# KiCad board XG_Mobile_Dock.kicad_pcb (continued)
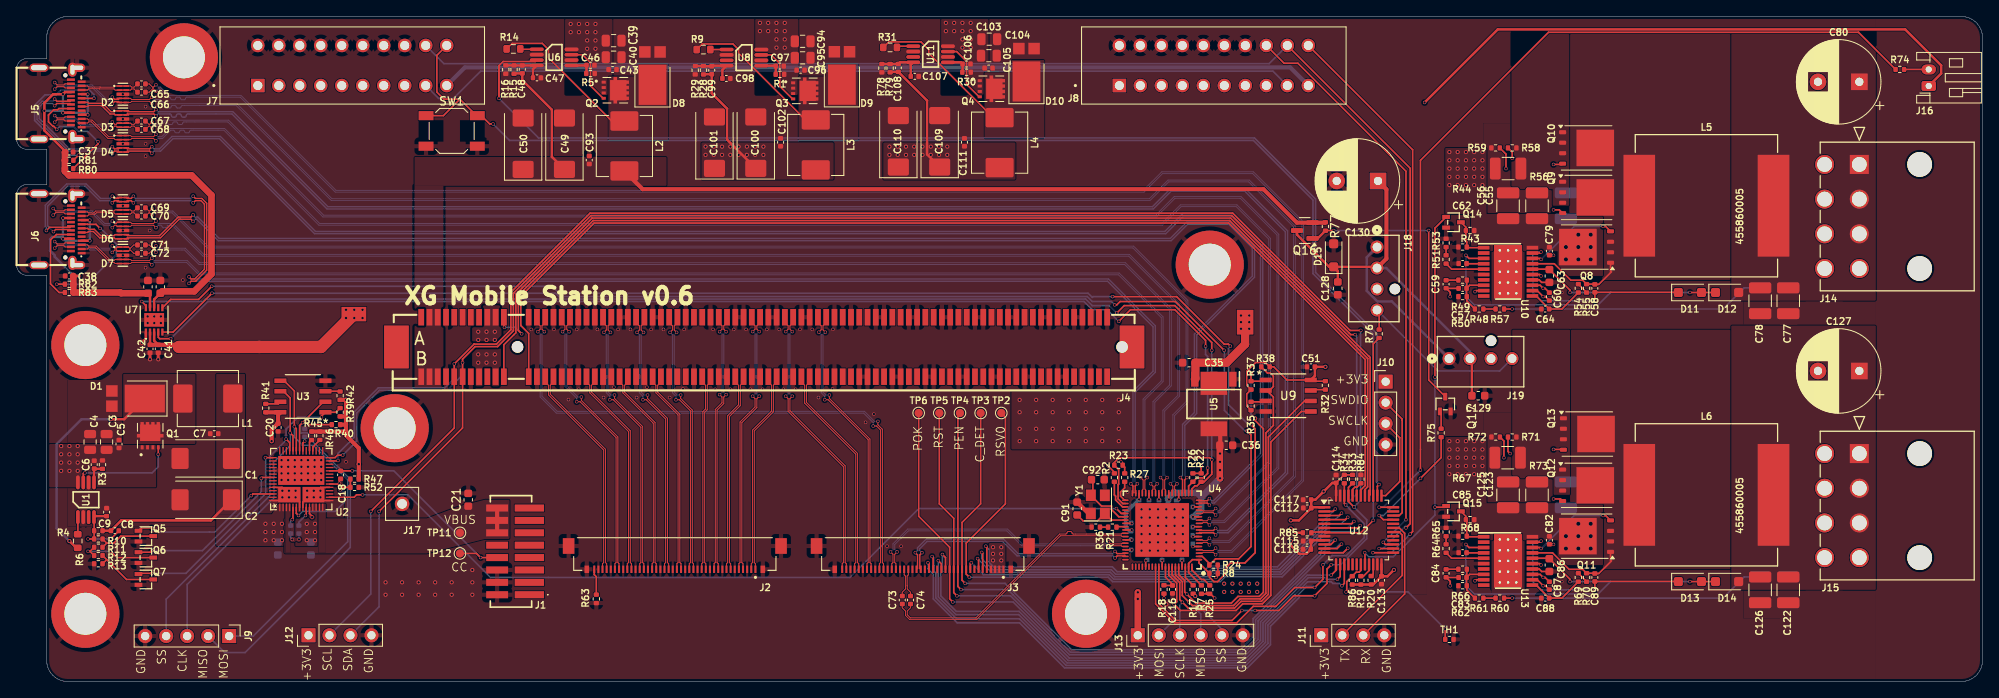
[diagram p0: board, top side]
## Nets (continued)
/USB Hub/XO: C92.1 U4.44 Y1.3
/USB PD Charger/BOOT: R47.2 R52.1 U2.6
/USB PD Charger/DRAIN1: U2.8 U2.15 U2.19 U2.58
/USB PD Charger/DRAIN2: U2.7 U2.52 U2.56 U2.57
/USB PD Charger/LDO_3V3: C20.1 C23.1 R39.1 R40.1 R41.1 R42.1 R45.2 R46.2 R47.1 U2.9 U3.8
/USB PD Charger/PDO_0: U2.42
/USB PD Charger/PDO_1: Q7.1 U2.43
/USB PD Charger/PDO_2: Q6.1 U2.49
/USB PD Charger/PDO_3: Q5.1 U2.54
/USB PD Charger/PGOOD_N: U2.55
/USB PD Charger/SPI_CLK: J9.3 U2.38 U3.6
/USB PD Charger/SPI_MISO: J9.2 R40.2 U2.36 U3.2
/USB PD Charger/SPI_MOSI: J9.1 U2.37 U3.5
/USB PD Charger/SPI_SS: J9.4 R39.2 U2.39 U3.1
/WAKE#: J4.B11 U12.40
PP_HV: C1.1 C2.1 C7.1 C8.1 C24.1 C25.1 L1.2 R4.1 U2.1 U2.2 U2.11 U2.12
Net-(C59-Pad1): C59.1 R49.1
Net-(C84-Pad1): C84.1 R66.1
Net-(D1-K): D1.1 L1.1 Q1.5_8 R6.2
Net-(D8-K): D8.1 L2.1 Q2.5_8 R14.2
Net-(D9-K): D9.1 L3.1 Q3.5_8 R9.2
Net-(D10-K): D10.1 L4.1 Q4.5_8 R31.2
Net-(D11-K): C58.1 D11.1 U10.19
Net-(D13-K): C89.1 D13.1 U13.19
Net-(D15-K): C128.1 C129.1 C130.1 D15.1 J18.2 J19.2 Q16.3
Net-(J5-CC1): J5.A5 R80.1
Net-(J5-CC2): J5.B5 R81.2
Net-(J6-CC1): J6.A5 R82.1
Net-(J6-CC2): J6.B5 R83.2
Net-(J7-Pin_17): J7.17 J8.17
Net-(J16-Pin_2): J16.2 R74.2
Net-(J18-Pin_4): J18.4 J19.4 R76.2
Net-(Q5-D): Q5.3 R10.2 R11.1
Net-(Q6-D): Q6.3 R11.2 R12.1
Net-(Q7-D): Q7.3 R12.2 R13.1
Net-(Q8-G): Q8.4 U10.18
Net-(Q10-D): C58.2 L5.1 Q8.1 Q8.2 Q8.3 Q9.5 Q10.5 R55.2 U10.17
Net-(Q10-G): Q9.4 Q10.4 U10.15
Net-(Q10-S-Pad1): Q9.1 Q9.2 Q9.3 Q10.1 Q10.2 Q10.3 R56.1 R58.1
Net-(Q11-G): Q11.4 U13.18
Net-(Q12-D): C89.2 L6.1 Q11.1 Q11.2 Q11.3 Q12.5 Q13.5 R70.2 U13.17
Net-(Q12-G): Q12.4 Q13.4 U13.15
Net-(Q12-S-Pad1): Q12.1 Q12.2 Q12.3 Q13.1 Q13.2 Q13.3 R71.1 R73.1
Net-(Q14-D): Q14.3 R43.2 R44.2 U10.1
Net-(Q15-D): Q15.3 R67.2 R68.2 U13.1
Net-(Q16-G): Q16.1 Q17.3 R77.2
Net-(Q17-G): Q17.1 R75.2
Net-(R21-Pad2): R21.2 R36.1
Net-(R48-Pad2): R48.2 R57.1
Net-(R51-Pad2): R51.2 R53.1
Net-(R54-Pad2): R54.2 R55.1
Net-(R60-Pad1): R60.1 R61.2
Net-(R64-Pad2): R64.2 R65.1
Net-(R69-Pad2): R69.2 R70.1
Net-(U1-ADJ): C6.2 R3.2 U1.5
Net-(U1-FB): C8.2 C9.1 R4.2 R10.1 U1.4
Net-(U1-ISENSE): R6.1 U1.1
Net-(U1-PGATE): Q1.4 U1.7
Net-(U2-I2C2_SCL): R46.1 U2.32
Net-(U2-I2C2_SDA): R45.1 U2.33
Net-(U2-LDO_1V8): C22.1 U2.35
Net-(U3-~{HOLD}): R41.2 U3.7
Net-(U3-~{WP}): R42.2 U3.3
Net-(U6-ADJ): C46.2 R5.2 U6.5
Net-(U6-FB): C47.1 C48.2 R15.2 R16.2 U6.4
Net-(U6-ISENSE): R14.1 U6.1
Net-(U6-PGATE): Q2.4 U6.7
Net-(U8-ADJ): C97.2 R1.2 U8.5
Net-(U8-FB): C98.1 C99.2 R28.2 R29.2 U8.4
Net-(U8-ISENSE): R9.1 U8.1
Net-(U8-PGATE): Q3.4 U8.7
Net-(U9-~{HOLD}): R32.2 U9.7
Net-(U9-~{WP}): R35.2 U9.3
Net-(U10-COMP): C57.2 C59.2 U10.9
Net-(U10-CS): C60.2 R58.2 U10.12
Net-(U10-CSG): C60.1 R59.2 U10.13
Net-(U10-FB): C57.1 R48.1 R49.2 R50.1 U10.8
Net-(U10-RAMP): C64.2 R54.1 U10.11
Net-(U10-RT): R51.1 U10.5
Net-(U10-SS): C62.2 U10.4
Net-(U11-ADJ): C106.2 R30.2 U11.5
Net-(U11-FB): C107.1 C108.2 R78.2 R79.1 U11.4
Net-(U11-ISENSE): R31.1 U11.1
Net-(U11-PGATE): Q4.4 U11.7
Net-(U12-BOOT0): R84.2 U12.44
Net-(U12-PB1): R86.1 TH1.1 U12.19
Net-(U13-COMP): C83.2 C84.2 U13.9
Net-(U13-CS): C87.2 R71.2 U13.12
Net-(U13-CSG): C87.1 R72.2 U13.13
Net-(U13-FB): C83.1 R61.1 R62.1 R66.2 U13.8
Net-(U13-RAMP): C88.2 R69.1 U13.11
Net-(U13-RT): R64.1 U13.5
Net-(U13-SS): C85.2 U13.4

Pads without a net: J1 1 2 3 4 5 6 7 8 12; J3 8; J4 165 166 A1 A5 A6 A7 A8 A19 A32 A33 A50 A52 A53 A56 A57 A60 A61 A64 A65 A68 A69 A72 A73 A76 A77 A80 A81 B9 B17 B30 B31 B48 B50 B51 B54 B55 B58 B59 B62 B63 B66 B67 B70 B71 B74 B75 B78 B79 B81 B82; J5 A8 B8; J6 A8 B8; J18 3; J19 3; U1 3; U2 17 18 21 22 23 26 29 30 31 34 40 41 48 50 53; U4 42 57 58 59 60 61 63 64; U7 7; U8 3; U10 2 7 10; U11 3; U12 16 17 18 28 29 32 35 43; U13 2 7 10

## Via types
v1: diameter 0.4, hole 0.3, Top to Bottom, 403 vias
v2: diameter 0.5, hole 0.3, Top to Bottom, 293 vias
v3: diameter 1, hole 0.5, Top to Bottom, 16 vias

## Routing (per net, layer and track width the routed paths; a pad name or vN(x,y) marks a point on that pad's centre or on a via; arc(x,y) is an arc through that point)
+3V3: length 328.9
  Top w0.2: v1(133.62,26.59) 133.84,26.37 R23.1 134.08,25.94 R27.1 ; U2.5 33.45,19.68 v1(33.37,19.59) ; U4.73 141.02,14.62 v1(141.03,14.63) ; R32.1 156.73,36.35 U9.8 153.71,36.5 152.12,38.09 R38.1 151.11,38.61 149.92,38.61 148.85,37.54 148.85,35.85 R37.1 148.85,34.81 148.85,33.35 R35.1 ; U4.24 140.61,22.05 v1(140.63,22.03) ; v1(144.97,10.09) 144.45,10.61 R25.2 R7.1 ; v1(136.63,14.63) 136.62,14.62 U4.62 ; 144.02,10.61 144.1,10.61 ; U4.46 134.92,19.14 v1(134.93,19.13) ; v1(132.08,26.09) 132.83,25.34 R2.2 ; R26.1 R22.1 v1(143.33,26.09) ; R33.1 R34.1 160.62,25.01 C114.1 ; v1(142.33,21.13) 142.34,21.14 U4.17 ; R24.2 145.35,14.08 R8.2 145.35,12.83 v1(145.12,12.59) ; v1(138.83,10.09) R18.2
  Top w0.3: C113.1 165.88,12.73 v2(166.65,13.5) ; C113.1 165.15,14.18 ; C113.1 164.16,11.74 R20.1 163.89,11.73 R19.1 R86.2 ; C109.1 110.17,63.81 110.17,70.32 C108.1 105.76,73.8 R78.1 ; v2(158.37,38.09) C51.1 157.1,37 U9.8 ; 158.24,21.09 156.74,21.09 C112.1 ; v2(154.18,19.5) 155.15,19.5 C112.1 ; 159.65,22.5 C114.1 159.19,24.04 v2(158.15,23) 157.15,22 C117.1 156.65,21.98 C112.1 ; v2(154.18,18.5) 154.68,18 R85.2 ; 158.24,17.09 156.72,17.09 C115.1 156.63,16.02 C118.1 156.05,15.44 155.21,15.44 154.18,16.48 v2(154.18,17) ; 144.02,10.61 144.02,10.74
  Top w0.8: J13.1 v2(135.67,9.99) v2(135.67,10.79)
  Top w1: 148.65,43.5 148.65,40.83 146.41,38.59 C35.1 142.64,36.67 U5.3
  In1.Cu w0.3: v2(158.37,38.09) 158.25,37.97
  In2.Cu w0.3: 158.25,37.97 154.18,37.97
  In2.Cu w0.5: v1(33.37,19.59) 33.21,19.75 32.36,19.75 28.87,23.24 28.87,28.09 36.37,35.59 55.95,35.59
  In2.Cu w1.5: 118.65,16.59 118.65,12.6 114.53,8.47 75.34,8.47 ; J12.1 37.03,3.89 70.76,3.89 75.34,8.47 ; 75.34,8.47 55.95,27.87 55.95,37.25 57.95,37.25 ; 147.65,43.5 144.29,43.5 127.65,60.14 125.11,60.14 ; 148.65,43.5 154.18,37.97 154.18,17
  Bottom w0.2: v1(136.63,14.63) 136.74,14.63 C30.1 ; C26.1 33.17,19.39 v1(33.37,19.59)
  Bottom w0.5: C15.1 140.51,21.91 v1(140.63,22.03)
  vias: v2(55.87,42.35) v2(55.87,41.35) v2(55.87,39.6) v2(55.87,38.6) v2(56.87,42.35) v2(56.87,41.35) v2(56.87,39.6) v2(56.87,38.6) v2(57.87,42.35) v2(57.87,41.35) v2(57.87,39.6) v2(57.87,38.6) v2(105.62,64.75) v2(105.62,63.75) v2(106.62,64.75) v2(106.62,63.75) v2(107.62,64.75) v2(107.62,63.75) v2(108.62,64.75) v2(108.62,63.75) v2(109.62,64.75) v2(109.62,63.75) v2(110.62,64.75) v2(110.62,63.75) v2(111.62,64.75) v2(111.62,63.75) v2(112.62,64.75) v2(112.62,63.75) v2(118.15,16.25) v2(118.15,15.45) v2(118.15,14.65) v2(119.15,16.25) v2(119.15,15.45) v2(119.15,14.65) v2(146.12,11.84) v2(146.12,10.84) v2(147.12,11.84) v2(147.12,10.84) v2(148.12,11.84) v2(148.12,10.84) v2(148.15,44.3) v2(148.15,43.5) v2(148.15,42.7) v2(149.12,11.84) v2(149.12,10.84) v2(149.15,44.3) v2(149.15,43.5) v2(149.15,42.7) v2(150.12,11.84) v2(150.12,10.84)
+5V: length 258.9
  Top w0.3: C42.1 U7.2 ; J16.1 232.87,73.59 232.87,74.59 228.52,78.94 179.22,78.94 v1(170.37,70.09) ; R28.1 83.15,73.52 C99.1 84.12,71.2 85.97,69.35 85.97,65.59 C100.1 ; C41.1 16.65,41.26 U7.3
  Top w0.5: 19.65,40.5 19.4,40.76 C41.1 C42.1
  Top w1.5: 19.65,40.5 36.84,40.5 40.82,44.48
  In2.Cu w0.3: v1(170.37,70.09) 96.87,70.09 91.02,64.25 90.87,64.25
  In2.Cu w1.5: 40.82,44.48 40.82,50.17 54.9,64.25 90.87,64.25
  vias: v2(39.87,45) v2(39.87,44) v2(40.87,45) v2(40.87,44) v2(41.87,45) v2(41.87,44) v2(83.37,64.75) v2(83.37,63.75) v2(84.37,64.75) v2(84.37,63.75) v2(85.37,64.75) v2(85.37,63.75) v2(86.37,64.75) v2(86.37,63.75) v2(87.37,64.75) v2(87.37,63.75) v2(88.37,64.75) v2(88.37,63.75) v2(89.37,64.75) v2(89.37,63.75) v2(90.37,64.75) v2(90.37,63.75)
+12V: length 102.2
  Top w0.3: R15.1 60.25,73.62 C48.1 61.2,72.79 64.77,69.22 64.77,63.51 C49.1
  Top w0.5: R77.1 158.32,55.54 Q16.2 154.92,55.54 150.87,59.59 75.75,59.59 L2.2
+20V: length 0
  Top w0.2: 176.45,54.57 176.45,54.59
  vias: v2(5.4,28.5) v2(5.4,27.5) v2(5.4,26.5) v2(5.4,25.5) v2(6.4,28.5) v2(6.4,27.5) v2(6.4,26.5) v2(6.4,25.5) v2(7.4,28.5) v2(7.4,27.5) v2(7.4,26.5) v2(7.4,25.5) v2(67.05,79.6) v2(67.05,78.6) v2(68.05,79.6) v2(68.05,78.6) v2(69.05,79.6) v2(69.05,78.6) v2(69.05,77.6) v2(69.05,76.6) v2(70.05,79.6) v2(70.05,78.6) v2(70.05,77.6) v2(70.05,76.6) v2(89.95,79.73) v2(89.95,78.73) v2(90.95,79.73) v2(90.95,78.73) v2(91.95,79.73) v2(91.95,78.73) v2(91.95,77.73) v2(91.95,76.73) v2(92.95,79.73) v2(92.95,78.73) v2(92.95,77.73) v2(92.95,76.73) v2(112.45,79.73) v2(112.45,78.73) v2(113.45,79.73) v2(113.45,78.73) v2(114.45,79.73) v2(114.45,78.73) v2(114.45,77.73) v2(114.45,76.73) v2(115.45,79.73) v2(115.45,78.73) v2(115.45,77.73) v2(115.45,76.73) v2(173.37,64.09) v2(173.37,63.09) v2(173.37,62.09) v2(173.37,61.09) v2(173.37,60.09) v2(173.37,29.09) v2(173.37,28.09) v2(173.37,27.09) v2(173.37,26.09) v2(173.37,25.09) v2(174.37,64.09) v2(174.37,63.09) v2(174.37,62.09) v2(174.37,61.09) v2(174.37,60.09) v2(174.37,29.09) v2(174.37,28.09) v2(174.37,27.09) v2(174.37,26.09) v2(174.37,25.09) v2(175.37,64.09) v2(175.37,63.09) v2(175.37,62.09) v2(175.37,61.09) v2(175.37,60.09) v2(175.37,29.09) v2(175.37,28.09) v2(175.37,27.09) v2(175.37,26.09) v2(175.37,25.09) v2(176.37,64.09) v2(176.37,63.09) v2(176.37,62.09) v2(176.37,61.09) v2(176.37,60.09) v2(176.37,29.09) v2(176.37,28.09) v2(176.37,27.09) v2(176.37,26.09) v2(176.37,25.09) v2(177.37,64.09) v2(177.37,63.09) v2(177.37,62.09) v2(177.37,61.09) v2(177.37,60.09) v2(177.37,29.09) v2(177.37,28.09) v2(177.37,27.09) v2(177.37,26.09) v2(177.37,25.09) v3(187.47,52.59) v3(187.47,51.09) v3(187.47,17.59) v3(187.47,16.09) v3(188.97,54.09) v3(188.97,52.59) v3(188.97,51.09) v3(188.97,19.09) v3(188.97,17.59) v3(188.97,16.09) v3(190.47,54.09) v3(190.47,52.59) v3(190.47,51.09) v3(190.47,19.09) v3(190.47,17.59) v3(190.47,16.09)
/12V_EN: length 155.8
  Top w0.2: v1(164.87,23.84) 164.65,23.63 U12.38 ; 58.37,74.5 v1(58.37,70.59) 58.37,74.55 58.87,75.06 62.78,75.06 U6.3
  Bottom w0.2: v1(164.87,23.84) 164.6,24.11 164.6,42.09 157.17,49.52 157.17,58.4 149.77,65.8 63.16,65.8 v1(58.37,70.59)
/Power 12V (1)/VCC: length 49.3
  Top w0.2: D12.1 D11.2 v1(202.47,47.09) ; U10.16 185.42,49.92 C63.1 187.97,47.37 v1(187.97,47.09) ; v1(175.37,51.59) 175.74,51.22 U10.3
  Bottom w0.2: v1(175.37,51.59) 175.37,46.59 176.37,45.59 176.37,45.6 190.66,45.6 190.67,45.59 191.36,45.59 192.87,47.09 ; 192.87,47.09 v1(202.47,47.09) ; 192.87,47.09 v1(187.97,47.09)
/Power 12V (2)/VCC: length 49.6
  Top w0.2: D14.1 D13.2 v1(202.47,12.09) ; U13.16 185.42,14.92 C86.1 ; v1(175.37,16.59) 175.74,16.22 U13.3 ; C86.1 185.47,14.59 ; C86.1 187.97,12.37 v1(187.97,12.09)
  Bottom w0.2: 192.87,12.09 191.36,10.59 190.76,10.59 190.75,10.6 176.37,10.6 176.37,10.59 175.37,11.59 v1(175.37,16.59) ; 192.87,12.09 v1(187.97,12.09) ; 192.87,12.09 v1(202.47,12.09)
/USB Hub/+1V0: length 34.5
  Top w0.2: U4.8 142.34,17.54 v1(142.33,17.53) ; U4.54 134.92,15.94 v1(134.93,15.93) ; v1(142.33,19.93) 142.34,19.94 U4.14 ; U4.36 135.82,22.05 v1(135.83,22.03) ; U4.51 134.92,17.14 v1(134.93,17.13) ; v1(142.33,16.33) 142.34,16.34 U4.5 ; v1(138.23,22.03) 138.22,22.05 U4.30 ; U4.11 142.34,18.74 v1(142.33,18.73) ; U4.33 137.02,22.05 v1(137.03,22.03) ; v1(139.43,22.03) 139.42,22.05 U4.27 ; U4.67 138.62,14.62 v1(138.63,14.63) ; v1(134.93,18.33) 134.92,18.34 U4.48
  Top w0.5: U5.4 145.64,29.82 145.64,28.59
  Top w0.8: v2(145.62,24.59) 145.59,24.62 C36.1
  Bottom w0.2: v1(142.33,16.33) 142.33,16.66 C10.1
  Bottom w0.5: C27.1 135.65,21.91 134.22,20.48 134.22,18.7 134.74,18.18 C33.1
  Bottom w0.8: 143.37,22.34 142.87,22.84 139.98,22.84 139.33,22.19 C16.1 ; 143.37,22.34 143.37,20.84 142.47,19.94 C13.1 ; 143.37,22.34 v2(145.62,24.59) v2(145.62,27.59)
  vias: v2(121.37,34.09) v2(121.37,32.59) v2(121.37,30.59) v2(121.37,29.09) v2(123.37,34.09) v2(123.37,32.59) v2(123.37,30.59) v2(123.37,29.09) v2(125.37,34.09) v2(125.37,32.59) v2(125.37,30.59) v2(125.37,29.09) v2(127.37,34.09) v2(127.37,32.59) v2(127.37,30.59) v2(127.37,29.09) v2(129.37,34.09) v2(129.37,32.59) v2(129.37,30.59) v2(129.37,29.09) v2(131.37,34.09) v2(131.37,32.59) v2(131.37,30.59) v2(131.37,29.09) v2(133.37,34.09) v2(133.37,32.59) v2(133.37,30.59) v2(133.37,29.09) v2(145.62,26.59) v2(145.62,25.59)
/USB Hub/VBUSDET: length 104.6
  Top w0.2: v1(41.87,22.59) 41.14,22.59 40.85,22.3 U2.16 ; v1(133.08,20.93) 133.67,20.34 U4.43 133.84,20.34
  Bottom w0.2: v1(41.87,22.59) 47.37,22.59 57.37,12.59 100.83,12.59 109.18,20.93 v1(133.08,20.93)
/VBUS: length 3
  Top w0.5: J1.11 J1.10 J1.9
GND: length 42.7
  Top w0.2: C18.2 39.07,24.4 v1(39.07,23.99) 38.97,23.9 U2.20 ; C82.1 185.95,16.61 v1(185.97,16.59) ; U13.14 184.23,13.62 184.53,13.32 C86.2 ; v1(35.77,19.89) 35.77,20.01 35.45,20.32 U2.10 ; U10.14 184.23,48.62 184.53,48.32 C63.2 ; R17.1 142.37,10.59 v2(142.62,10.34) ; v1(185.97,51.59) 185.95,51.61 C79.1
  Top w0.3: D6.3 D6.8 ; C42.2 v2(16.15,39) ; 58.15,12 57.65,12 ; v2(15.15,41) 15.65,41.5 U7.1 ; J1.16 57.65,10.5 ; D7.3 D7.8 ; D3.3 D3.8 ; 164.21,52.99 J18.1 ; C41.2 v2(17.15,39) ; 58.15,10.5 57.65,10.5 ; D2.3 D2.8 ; D5.3 D5.8 ; D4.3 D4.8 ; 173.32,39.08 J19.1 ; J1.15 57.65,12
  Top w0.5: C91.2 129.71,20.33 Y1.4
  Bottom w0.2: C23.2 v1(34.17,17.19) ; v1(33.37,17.19) 33.17,17.39 C26.2
  Bottom w0.3: J18.1 163.37,51.35 163.37,47.29 164.65,46.01 166.41,46.01 J19.1
  vias: v1(12.87,71.09) v1(12.87,68.09) v1(12.87,65.09) v1(12.87,57.59) v1(12.87,54.59) v1(12.87,51.59) v1(15.62,69.59) v1(15.62,65.09) v1(15.62,63.59) v1(15.62,50.09) v1(16.12,54.59) v1(17.62,53.09) v1(20.12,48.59) v1(32.07,26.79) v1(32.07,25.99) v1(32.07,25.19) v1(32.07,24.39) v1(32.87,26.79) v1(32.87,25.99) v1(32.87,25.19) v1(32.87,24.39) v1(33.67,26.79) v1(33.67,25.99) v1(33.67,25.19) v1(33.67,24.39) v1(34.47,26.79) v1(34.47,25.99) v1(34.47,25.19) v1(34.47,24.39) v1(35.27,26.79) v1(35.27,25.99) v1(35.27,25.19) v1(35.27,24.39) v1(36.07,26.79) v1(36.07,25.99) v1(36.07,25.19) v1(36.07,24.39) v1(36.87,26.79) v1(36.87,25.99) v1(36.87,25.19) v1(36.87,24.39) v1(39.87,26.59) v1(62.28,42.62) v1(65.03,42.62) v1(66.78,34.12) v1(67.78,42.62) v1(68.03,35.37) v1(70.28,42.62) v1(71.03,34.37) v1(72.28,35.62) v1(72.78,42.62) v1(74.28,42.62) v1(75.03,34.37) v1(76.28,35.62) v1(76.78,42.62) v1(78.28,42.62) v1(79.03,34.37) v1(80.63,35.42) v1(80.78,42.62) v1(84.28,42.62) v1(84.53,35.37) v1(86.37,35.37) v1(86.78,42.62) v1(88.28,42.62) v1(88.78,35.37) v1(90.28,35.37) v1(90.78,42.62) v1(92.28,42.62) v1(92.78,35.37) v1(94.28,35.37) v1(94.78,42.62) v1(96.28,42.62) v1(97.03,34.37) v1(98.78,42.62) v1(98.73,35.42) v1(102.73,31.37) v1(103.73,32.37) v1(105.33,16.37) v1(107.03,16.37) v1(134.43,22.93) v1(186.97,47.09) v1(186.97,12.09) v2(15.87,44.19) v2(15.87,43.39) v2(16.67,44.19) v2(16.67,43.39) v2(17.47,44.19) v2(17.47,43.39) v2(44.65,12) v2(44.65,10.5) v2(46.65,12) v2(46.65,10.5) v2(48.65,12) v2(48.65,10.5) v2(50.65,12) v2(50.65,10.5) v2(52.65,12) v2(52.65,10.5) v2(55.15,13.5) v2(55.15,12) v2(55.15,10.5) v2(136.12,20.84) v2(136.12,19.84) v2(136.12,18.84) v2(136.12,17.84) v2(136.12,16.84) v2(136.12,15.84) v2(137.12,20.84) v2(137.12,19.84) v2(137.12,18.84) v2(137.12,17.84) v2(137.12,16.84) v2(137.12,15.84) v2(138.12,20.84) v2(138.12,19.84) v2(138.12,18.84) v2(138.12,17.84) v2(138.12,16.84) v2(138.12,15.84) v2(139.12,20.84) v2(139.12,19.84) v2(139.12,18.84) v2(139.12,17.84) v2(139.12,16.84) v2(139.12,15.84) v2(139.12,9.34) v2(140.12,20.84) v2(140.12,19.84) v2(140.12,18.84) v2(140.12,17.84) v2(140.12,16.84) v2(140.12,15.84) v2(141.12,20.84) v2(141.12,19.84) v2(141.12,18.84) v2(141.12,17.84) v2(141.12,16.84) v2(141.12,15.84) v2(158.87,22.09)
/AC_LOSS: length 65.8
  Top w0.2: J3.15 112.4,15 v1(112.03,15.37) ; v1(159.82,12.37) 160.15,12.71 160.15,14.18
  Bottom w0.2: v1(159.82,12.37) 159.81,12.37 158.52,12.37 158.32,12.57 156.29,12.57 150.82,7.1 150.82,4.86 148.5,2.54 127.24,2.54 121.29,8.49 113.7,8.49 111.83,10.36 111.83,13.07 112.03,13.28 112.03,15.37 v1(112.03,15.37)
/C_DN: length 29
  Top w0.17: v1(132.91,14.94) 133.17,15.21 134.1,15.21 U4.56 ; v1(109.55,15.59) 109.29,15.33 109.29,13.7 J3.21
  Bottom w0.17: v1(109.55,15.59) 109.29,15.86 109.29,16.07 110.17,16.96 119.31,16.96 121.06,15.21 132.65,15.21 v1(132.91,14.94)
/C_DP: length 29.4
  Top w0.17: U4.55 134.1,15.48 133.17,15.48 v1(132.91,15.74) ; J3.22 109.01,13.7 109.01,15.33 v1(108.75,15.59)
  Bottom w0.17: v1(132.91,15.74) 132.65,15.48 121.17,15.48 119.42,17.23 110.06,17.23 109.01,16.18 109.01,15.86 v1(108.75,15.59)
/C_RXN: length 33.3
  Top w0.112: v1(105.75,15.69) 106.04,15.4 106.04,14.4 105.9,14.26 J3.28 ; v1(132.12,16.94) 132.41,16.65 133.67,16.65 133.77,16.74 U4.52
  Bottom w0.112: v1(105.75,15.69) 106.04,15.98 106.04,16.67 107.82,18.45 119.91,18.45 121.71,16.65 131.82,16.65 v1(132.12,16.94)
/C_RXP: length 33.3
  Top w0.112: v1(106.55,15.69) 106.26,15.4 106.26,14.4 106.4,14.26 J3.27 ; U4.53 133.77,16.34 133.67,16.44 132.41,16.44 v1(132.12,16.14)
  Bottom w0.112: v1(106.55,15.69) 106.26,15.98 106.26,16.58 107.91,18.24 119.82,18.24 121.62,16.44 130.56,16.44 arc(130.67,16.39) 130.72,16.28 arc(130.77,16.17) 130.87,16.13 131.16,16.13 arc(131.27,16.17) 131.32,16.28 arc(131.37,16.39) 131.47,16.44 131.82,16.44 v1(132.12,16.14)
/C_TXN: length 3.5
  Top w0.112: J3.24 107.9,12.91 107.76,12.76 107.76,11.59 107.77,11.58 107.77,11.2 108.17,10.81 C74.2
/C_TXP: length 3.5
  Top w0.112: J3.25 107.4,12.91 107.54,12.76 107.54,11.51 107.56,11.5 107.56,11.2 107.17,10.81 C73.2
/CC: length 27.5
  Top w0.2: U2.24 C18.1 v1(40.62,25.5) ; TP12.1 55.65,15.5 v1(56.15,15) J1.13
  Bottom w0.2: v1(56.15,15) 45.65,25.5 v1(40.62,25.5) 40.74,25.37
/CLKN: length 70.1
  Top w0.118: v1(63.87,42.35) 63.57,42.64 63.57,43.06 63.97,43.45 J4.A14 ; J3.30 104.9,14.26 104.76,14.4 104.76,30.53 104.22,31.08 v1(104.22,31.49)
  Bottom w0.118: v1(63.87,42.35) 63.57,42.06 63.57,34.54 65.41,32.7 102.59,32.7 103.81,31.49 v1(104.22,31.49)
/CLKP: length 70.1
  Top w0.118: v1(103.65,30.92) 104.06,30.92 104.54,30.44 104.54,14.4 104.4,14.26 J3.31 ; v1(63.07,42.35) 63.36,42.64 63.36,43.06 62.97,43.45 J4.A13
  Bottom w0.118: v1(63.07,42.35) 63.36,42.06 63.36,34.45 65.32,32.48 102.5,32.48 103.65,31.33 v1(103.65,30.92)
/CLKREQ#: length 140
  Top w0.2: 61.97,36.89 61.97,36.9 ; J4.B12 61.97,36.9 61.97,42.14 61.02,43.09 61.02,46.63 69.89,55.5 146.65,55.5 163.17,38.98 163.17,23.72 162.65,23.2 162.65,22.5 ; 61.95,37.25 62.13,37.43 ; 61.95,37.24 62.13,37.42
/CON_DET: length 78.2
  Top w0.2: v1(159.57,17.12) 159.03,16.59 158.24,16.59 ; v1(114.78,11.87) 114.4,12.25 J3.11 114.4,19.25 116.65,21.5 TP3.1
  Bottom w0.2: v1(159.57,17.12) 159.15,17.12 149.62,7.59 149.62,5.36 148.1,3.84 127.64,3.84 125.08,6.4 125.08,6.41 119.61,11.87 v1(114.78,11.87)
/DET: length 3.2
  Top w0.2: R63.1 70.15,12.68 69.9,12.93 J2.40
/HP_SHDN#: length 50.3
  Top w0.2: v1(171.62,21.09) 172.82,21.09 Q15.1 ; U12.20 163.15,15.56 v1(163.12,15.59) ; Q14.1 171.62,54.89 v1(171.62,36.84)
  Bottom w0.2: v1(171.62,36.84) v1(171.62,21.09) 171.62,20.13 166.57,15.09 163.62,15.09 v1(163.12,15.59)
/HSI0N: length 33.8
  Top w0.118: J4.A17 66.97,43.45 66.57,43.06 66.57,42.64 v1(66.87,42.35) ; J2.34 72.9,14.26 72.76,14.4 72.76,29.61 68.34,34.02 v1(68.34,34.43)
  Bottom w0.118: v1(66.87,42.35) 66.57,42.06 66.57,35.79 67.93,34.43 v1(68.34,34.43)
/HSI0P: length 33.8
  Top w0.118: J2.35 72.4,14.26 72.54,14.4 72.54,29.52 68.19,33.87 v1(67.78,33.87) ; J4.A16 65.97,43.45 66.36,43.06 66.36,42.64 v1(66.07,42.35)
  Bottom w0.118: v1(66.07,42.35) 66.36,42.06 66.36,35.7 67.78,34.28 v1(67.78,33.87)
/HSI1N: length 32.9
  Top w0.118: v1(71.87,42.26) 71.57,42.55 71.57,43.06 71.97,43.45 J4.A22 ; J2.28 75.9,14.26 75.76,14.4 75.76,30.86 72.35,34.26 v1(72.35,34.67)
  Bottom w0.118: v1(71.87,42.26) 71.57,41.97 71.57,35.04 71.94,34.67 v1(72.35,34.67)
/HSI1P: length 32.9
  Top w0.118: J4.A21 70.97,43.45 71.36,43.06 71.36,42.55 v1(71.07,42.26) ; J2.29 75.4,14.26 75.54,14.4 75.54,30.77 72.2,34.11 v1(71.79,34.11)
  Bottom w0.118: v1(71.79,34.11) 71.79,34.52 71.36,34.95 71.36,41.97 v1(71.07,42.26)
/HSI2N: length 32.7
  Top w0.118: J4.A26 75.97,43.45 75.57,43.06 75.57,42.55 v1(75.87,42.26) ; v1(76.35,34.67) 76.35,34.26 78.76,31.86 78.76,14.4 78.9,14.26 J2.22
  Top w0.205: 75.81,43.75 75.95,43.75
  Bottom w0.118: v1(76.35,34.67) 75.94,34.67 75.57,35.04 75.57,41.97 v1(75.87,42.26)
/HSI2P: length 32.5
  Top w0.118: J4.A25 74.97,43.45 75.36,43.06 75.36,42.55 v1(75.07,42.26) ; v1(75.79,34.11) 76.2,34.11 78.54,31.77 78.54,14.4 78.4,14.26 J2.23
  Bottom w0.118: v1(75.79,34.11) 75.79,34.52 75.36,34.95 75.36,41.97 v1(75.07,42.26)
/HSI3N: length 32.1
  Top w0.118: J2.16 81.9,14.26 81.76,14.4 81.76,32.86 80.35,34.26 v1(80.35,34.67) ; v1(79.87,42.26) 79.57,42.55 79.57,43.06 79.97,43.45 J4.A30
  Bottom w0.118: v1(80.35,34.67) 79.94,34.67 79.57,35.04 79.57,41.97 v1(79.87,42.26)
/HSI3P: length 32.1
  Top w0.118: v1(79.07,42.26) 79.36,42.55 79.36,43.06 78.97,43.45 J4.A29 ; J2.17 81.4,14.26 81.54,14.4 81.54,32.77 80.2,34.11 v1(79.79,34.11)
  Bottom w0.118: v1(79.07,42.26) 79.36,41.97 79.36,34.95 79.79,34.52 v1(79.79,34.11)
/HSI4N: length 31.6
  Top w0.118: v1(85.87,42.35) 85.57,42.64 85.57,43.06 85.97,43.45 J4.A36 ; v1(85.87,34.73) 85.57,34.44 85.57,33.65 84.76,32.83 84.76,14.4 84.9,14.26 J2.10
  Bottom w0.118: v1(85.87,34.73) 85.57,35.02 85.57,42.06 v1(85.87,42.35)
/HSI4P: length 31.6
  Top w0.118: J4.A35 84.97,43.45 85.36,43.06 85.36,42.64 v1(85.07,42.35) ; J2.11 84.4,14.26 84.54,14.4 84.54,32.92 85.36,33.74 85.36,34.44 v1(85.07,34.73)
  Bottom w0.118: v1(85.07,34.73) 85.36,35.02 85.36,42.06 v1(85.07,42.35)
/HSI5N: length 32
  Top w0.118: v1(89.87,34.53) 89.57,34.24 89.57,33.15 87.76,31.33 87.76,14.4 87.9,14.26 J2.4 ; v1(89.87,42.36) 89.57,42.65 89.57,43.06 89.97,43.45 J4.A40
  Bottom w0.118: v1(89.87,34.53) 89.57,34.82 89.57,42.07 v1(89.87,42.36)
/HSI5P: length 32
  Top w0.118: J4.A39 88.97,43.45 89.36,43.06 89.36,42.65 v1(89.07,42.36) ; J2.5 87.4,14.26 87.54,14.4 87.54,31.42 89.36,33.24 89.36,34.24 v1(89.07,34.53)
  Bottom w0.118: v1(89.07,42.36) 89.36,42.07 89.36,34.82 v1(89.07,34.53)
/HSI6N: length 34.1
  Top w0.118: J3.39 100.4,14.26 100.26,14.4 100.26,26.1 93.57,32.79 93.57,34.24 v1(93.87,34.53) ; J4.A44 93.97,43.45 93.57,43.06 93.57,42.65 v1(93.87,42.36)
  Top w0.205: 93.81,43.75 93.95,43.75
  Bottom w0.118: v1(93.87,34.53) 93.57,34.82 93.57,42.07 v1(93.87,42.36)
/HSI6P: length 34
  Top w0.118: J4.A43 92.97,43.45 93.36,43.06 93.36,42.65 v1(93.07,42.36) ; v1(93.07,34.53) 93.36,34.24 93.36,32.7 100.04,26.01 100.04,14.4 99.9,14.26 J3.40
  Bottom w0.118: v1(93.07,42.36) 93.36,42.07 93.36,34.82 v1(93.07,34.53)
/HSI7N: length 33.7
  Top w0.118: J4.A48 97.97,43.45 97.57,43.06 97.57,42.57 v1(97.87,42.28) ; v1(98.35,34.68) 98.35,34.26 103.26,29.36 103.26,14.4 103.4,14.26 J3.33
  Top w0.205: 97.81,43.75 97.95,43.75
  Bottom w0.118: v1(98.35,34.68) 97.94,34.68 97.57,35.04 97.57,41.99 v1(97.87,42.28)
/HSI7P: length 33.6
  Top w0.118: v1(97.79,34.11) 98.2,34.11 103.04,29.27 103.04,14.4 102.9,14.26 J3.34 ; J4.A47 96.97,43.45 97.36,43.06 97.36,42.57 v1(97.07,42.28)
  Bottom w0.118: v1(97.07,42.28) 97.36,41.99 97.36,34.95 97.79,34.52 v1(97.79,34.11)
/HSO0N: length 26.3
  Top w0.118: J2.37 71.4,14.26 71.26,14.4 71.26,28.1 64.57,34.79 64.57,35.86 64.97,36.25 J4.B15
/HSO0P: length 26.3
  Top w0.118: J2.38 70.9,14.26 71.04,14.4 71.04,28.01 64.36,34.7 64.36,35.86 63.97,36.25 J4.B14
/HSO1N: length 25.5
  Top w0.118: J2.31 74.4,14.26 74.26,14.4 74.26,30.35 69.57,35.04 69.57,35.86 69.97,36.25 J4.B20
/HSO1P: length 25.5
  Top w0.118: J4.B19 68.97,36.25 69.36,35.86 69.36,34.95 74.04,30.26 74.04,14.4 73.9,14.26 J2.32
/HSO2N: length 25.1
  Top w0.118: J2.25 77.4,14.26 77.26,14.4 77.26,31.35 73.57,35.04 73.57,35.86 73.97,36.25 J4.B24
/HSO2P: length 25.1
  Top w0.118: J2.26 76.9,14.26 77.04,14.4 77.04,31.26 73.36,34.95 73.36,35.86 72.97,36.25 J4.B23
/HSO3N: length 24.9
  Top w0.118: J4.B28 77.97,36.25 77.57,35.86 77.57,35.04 80.26,32.35 80.26,14.4 80.4,14.26 J2.19
  Top w0.205: 77.95,37.25 77.95,36.99
/HSO3P: length 24.6